# Altium PCB uz_per_voltage_measurement.PcbDoc (part 2 of 2) (continued)
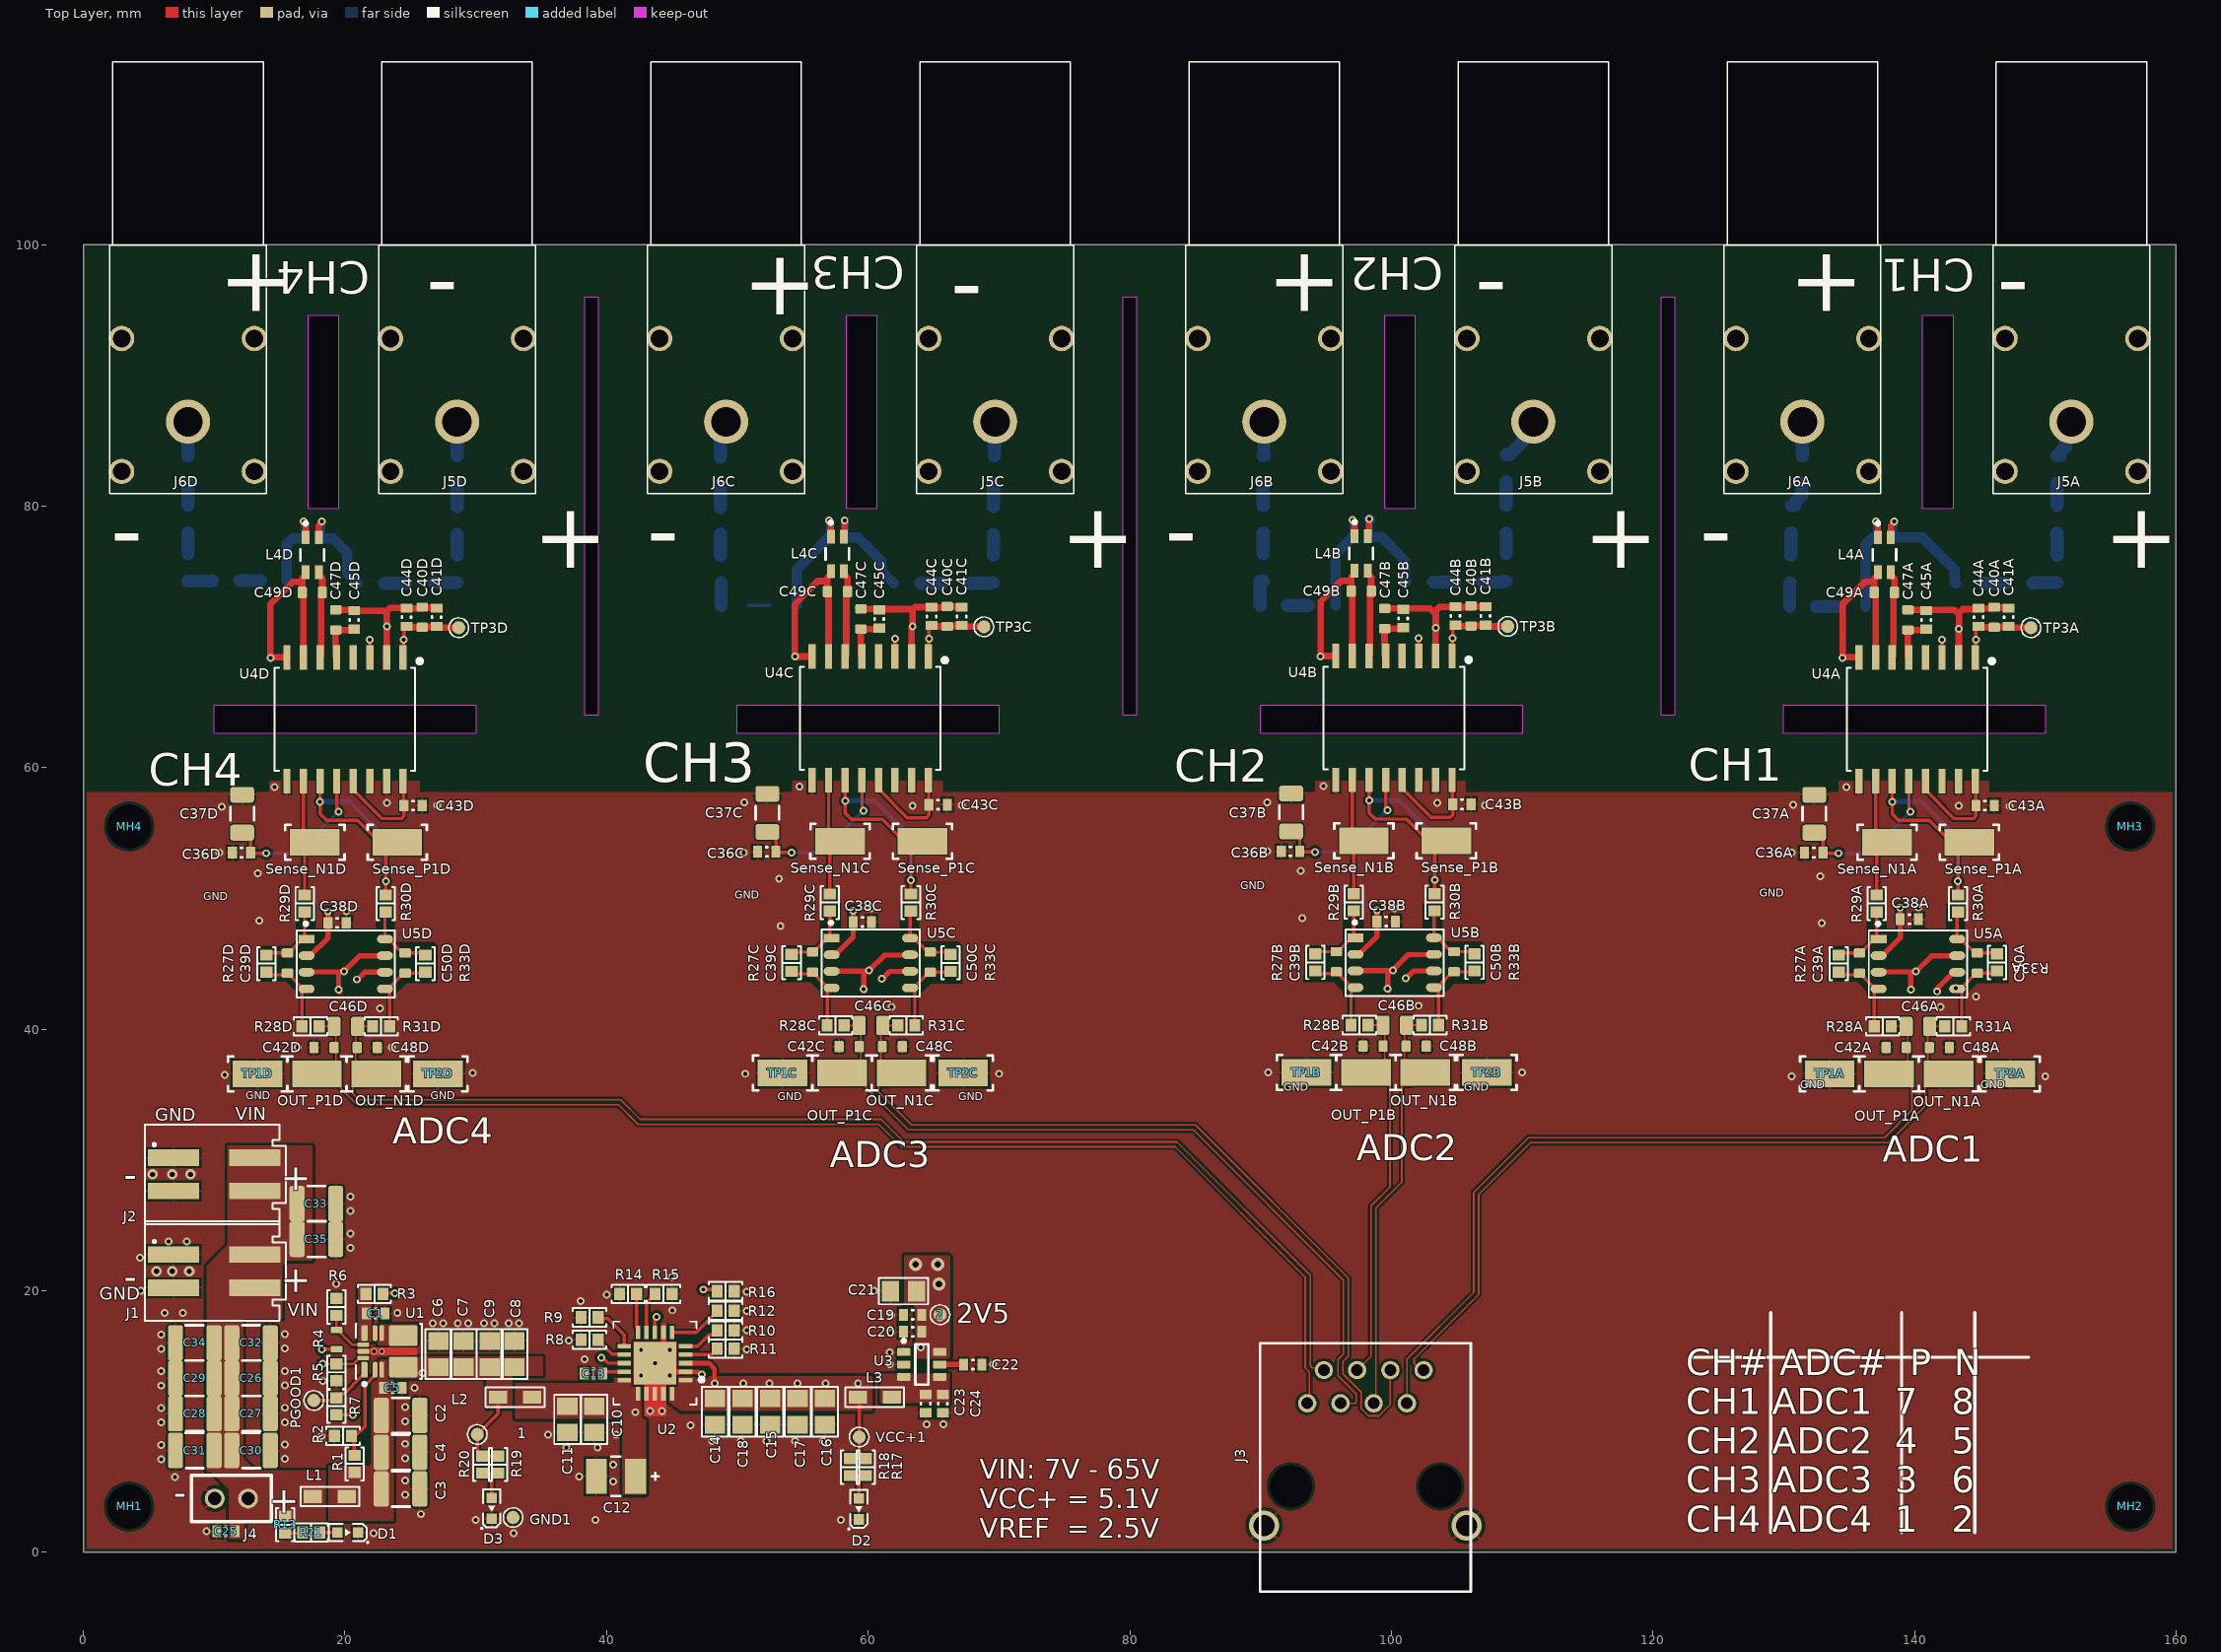
[diagram p0: Top Layer view]
## Nets (pads, with @x,y where several pads share a name; then routed paths per layer and width w, separated by ;. In a path a pad name is that pad's centre, name@x,y a point inside that pad or via, vN(x,y) a via of type N, cw(c..) or ccw(c..) an arc to the next point about the centre after c; other vN are vias at no path point) (continued)
NetR3_1: R3.1 R5.2 U1.11 | length 15.1
  Top Layer w0.2: v1(18.317,14.411) 19.349,14.411 R5.2@19.352,14.414 20.673,14.414 21.123,14.864 U1.11@21.402,14.864
  Top Layer w0.254: R3.1@22.902,19.764 22.949,19.811 v1(23.797,19.811)
  VCC+ w0.254: v1(18.317,14.411) 18.251,14.477 17.651,14.477 17.417,14.711 17.417,17.111 20.117,19.811 v1(23.797,19.811)
NetR4_1: R4.1 R6.1 U1.9 | length 3.7
  Top Layer w0.2: R6.1@19.352,18.114 R4.1@19.352,16.994 19.552,16.994 19.675,16.871 19.675,16.76 20.571,15.864 U1.9@21.402,15.864
NetR8_1: R8.1 U2.12 | length 2.7
  Top Layer w0.254: R8.1@39.123,16.343 39.223,16.343 39.65,15.916 39.65,15.913 40.401,15.162 41.304,15.162 U2.12@41.352,15.114
NetR9_2: R9.2 U2.11 | length 3.4
  Top Layer w0.254: R9.2@39.352,17.964 39.447,17.869 40.097,17.869 41.352,16.614 U2.11@41.352,15.764
NetR10_2: R10.2 U2.5 | length 2.9
  Top Layer w0.254: U2.5@46.052,15.764 46.97,15.764 47.846,16.64 48.154,16.64 48.452,16.938 R10.2@48.452,16.964
NetR11_2: R11.2 U2.4 | length 2.6
  Top Layer w0.254: U2.4@46.052,15.114 48.052,15.114 48.452,15.514 R11.2@48.452,15.564
NetR12_1: R12.1 U2.6 | length 4.2
  Top Layer w0.254: U2.6@45.002,16.814 46.852,16.814 48.452,18.414 R12.1@48.452,18.464
NetR13_2: R13.2 R21.1 | length 1.4
  Top Layer w0.254: R13.2@15.417,1.461 16.717,1.461 R21.1@16.767,1.511
NetR14_2: R14.2 U2.10 | length 3
  Top Layer w0.254: R14.2@42.302,19.764 42.302,17.263 42.402,17.164 U2.10@42.402,16.814
NetR15_2: R15.2 U2.9 | length 3.2
  Top Layer w0.254: U2.9@43.052,16.814 43.052,19.064 43.702,19.714 R15.2@43.702,19.764
NetR16_2: R16.2 U2.8 | length 7.2
  Top Layer w0.254: U2.8@43.702,16.814 43.702,17.802 43.817,17.917 v3(43.817,18.011) ; v1(47.402,20.095) 48.321,20.095 R16.2@48.452,19.964
  VCC+ w0.254: v3(43.817,18.011) 43.756,18.072 43.756,18.528 45.323,20.095 v1(47.402,20.095)
NetR22A_1: R22A.1 R23A.1 | length 1.7
  2V5_OCM w1: R23A.1@150.9,80.04 R22A.1@150.9,81.76
NetR22B_1: R22B.1 R23B.1 | length 1.9
  2V5_OCM w1: R23B.1@108.771,80.029 108.771,81.86 R22B.1@108.8,81.86
NetR22C_1: R22C.1 R23C.1 | length 1.9
  2V5_OCM w1: R23C.1@69.571,79.929 69.571,81.76 R22C.1@69.6,81.76
NetR22D_1: R22D.1 R23D.1 | length 1.9
  2V5_OCM w1: R23D.1@28.571,79.929 28.571,81.76 R22D.1@28.6,81.76
NetR23A_2: R23A.2 R24A.2 | length 1.7
  2V5_OCM w1: R24A.2@150.9,76.24 R23A.2@150.9,77.96
NetR23B_2: R23B.2 R24B.2 | length 1.6
  2V5_OCM w1: R23B.2@108.771,77.949 108.785,77.949 108.785,76.34 R24B.2@108.8,76.34
NetR23C_2: R23C.2 R24C.2 | length 1.6
  2V5_OCM w1: R23C.2@69.571,77.849 69.585,77.849 69.585,76.24 R24C.2@69.6,76.24
NetR23D_2: R23D.2 R24D.2 | length 1.6
  2V5_OCM w0.254: R23D.2@28.571,77.849 R23D.2@28.585,77.835 ; R24D.2@28.585,76.254 R24D.2@28.6,76.24
  2V5_OCM w1: R24D.2@28.585,76.254 R23D.2@28.585,77.835
NetR24A_1: R24A.1 R25A.1 | length 1.9
  2V5_OCM w1: R25A.1@149.04,74.1 149.1,74.16 R24A.1@150.9,74.16
NetR24B_1: R24B.1 R25B.1 | length 1.9
  2V5_OCM w1: R25B.1@106.94,74.2 108.49,74.2 108.55,74.26 R24B.1@108.8,74.26
NetR24C_1: R24C.1 R25C.1 | length 1.9
  2V5_OCM w1: R25C.1@67.74,74.1 69.29,74.1 69.35,74.16 R24C.1@69.6,74.16
NetR24D_1: R24D.1 R25D.1 | length 1.9
  2V5_OCM w0.254: R25D.1@26.74,74.1 R25D.1@26.8,74.16
  2V5_OCM w1: R25D.1@26.8,74.16 R24D.1@28.6,74.16
NetR25A_2: R25A.2 R26A.2 | length 1.7
  2V5_OCM w1: R26A.2@145.24,74.1 R25A.2@146.96,74.1
NetR25B_2: R25B.2 R26B.2 | length 1.6
  2V5_OCM w1: R26B.2@103.24,74.2 R25B.2@104.86,74.2
NetR25C_2: R25C.2 R26C.2 | length 1.6
  2V5_OCM w1: R26C.2@64.04,74.1 R25C.2@65.66,74.1
NetR25D_2: R25D.2 R26D.2 | length 1.6
  2V5_OCM w1: R26D.2@23.04,74.1 R25D.2@24.66,74.1
NetR34A_1: R34A.1 R35A.1 | length 1.7
  2V5_OCM w1: R35A.1@132.5,72.3 R34A.1@134.16,72.3
NetR34B_1: R34B.1 R35B.1 | length 1.6
  2V5_OCM w1: R35B.1@92.04,72.4 R34B.1@93.66,72.4
NetR34C_1: R34C.1 R35C.1 | length 1.6
  2V5_OCM w0.254: R35C.1@50.84,72.4 R34C.1@52.46,72.4
NetR34D_1: R34D.1 R35D.1 | length 1.6
  2V5_OCM w1: R35D.1@11.94,74.3 R34D.1@13.56,74.3
NetR35A_2: R35A.2 R36A.2 | length 1.9
  2V5_OCM w1: R35A.2@130.46,72.3 130.46,74.16 R36A.2@130.5,74.16
NetR35B_2: R35B.2 R36B.2 | length 2.1
  2V5_OCM w1: R35B.2@89.96,72.4 89.96,74.26 R36B.2@90.2,74.26
NetR35C_2: R35C.2 R36C.2 | length 1.8
  2V5_OCM w1: R35C.2@48.76,72.4 R36C.2@48.76,74.16
NetR35D_2: R35D.2 R36D.2 | length 1.9
  2V5_OCM w1: R36D.2@8,74.26 9.86,74.26 R35D.2@9.86,74.3
NetR36A_1: R36A.1 R37A.1 | length 1.8
  2V5_OCM w1: R36A.1@130.5,76.24 130.55,76.24 130.55,77.96 R37A.1@130.6,77.96
NetR36B_1: R36B.1 R37B.1 | length 1.7
  2V5_OCM w1: R36B.1@90.2,76.34 R37B.1@90.2,77.96 R37B.1@90.243,77.96
NetR36C_1: R36C.1 R37C.1 | length 1.6
  2V5_OCM w1: R36C.1@48.7,76.24 R37C.1@48.7,77.86
NetR36D_1: R36D.1 R37D.1 | length 1.6
  2V5_OCM w1: R36D.1@8,76.34 R37D.1@8,77.96
NetR37A_2: R37A.2 R38A.2 | length 2.2
  2V5_OCM w1: R37A.2@130.6,80.04 130.85,80.04 130.85,80.29 131.4,80.84 R38A.2@131.4,81.76
NetR37B_2: R37B.2 R38B.2 | length 1.8
  2V5_OCM w1: R38B.2@90.2,81.76 R37B.2@90.2,80.04 R37B.2@90.243,80.04
NetR37C_2: R37C.2 R38C.2 | length 1.7
  2V5_OCM w1: R37C.2@48.7,79.903 R38C.2@48.7,81.623
NetR37D_2: R37D.2 R38D.2 | length 1.7
  2V5_OCM w1: R37D.2@8,80.04 R38D.2@8,81.76
NetU1_5: U1.5 U1.6
OP_INA_N: C39A.2 R27A.1 R29A.2 U5A.1 | length 5.7
  Top Layer w0.254: R27A.1@134.198,45.656 134.368,45.826 C39A.2@135.798,45.826 135.883,45.826 136.746,46.69 137.054,46.69 U5A.1@137.259,46.894 137.117,47.036 R29A.2@137.117,48.961
OP_INA_P: C50A.2 R30A.2 R33A.1 U5A.8 | length 5.6
  Top Layer w0.254: R30A.2@143.317,48.961 143.317,48.661 143.259,48.603 U5A.8@143.259,46.894 143.537,46.894 144.377,46.054 144.574,46.054 C50A.2@144.802,45.826 146.224,45.826 R33A.1@146.3,45.75
OP_INB_N: C39B.2 R27B.1 R29B.2 U5B.1 | length 5.7
  Top Layer w0.254: R27B.1@94.198,45.756 94.368,45.926 C39B.2@95.798,45.926 95.883,45.926 96.746,46.79 97.054,46.79 U5B.1@97.259,46.994 97.117,47.136 R29B.2@97.117,49.061
OP_INB_P: C50B.2 R30B.2 R33B.1 U5B.8 | length 5.7
  Top Layer w0.254: R30B.2@103.317,49.061 103.317,48.761 103.259,48.703 U5B.8@103.259,46.994 103.537,46.994 104.377,46.154 104.574,46.154 C50B.2@104.802,45.926 106.178,45.926 R33B.1@106.348,45.756
OP_INC_N: C39C.2 R27C.1 R29C.2 U5C.1 | length 5.7
  Top Layer w0.254: R27C.1@54.148,45.725 54.318,45.895 C39C.2@55.748,45.895 55.833,45.895 56.696,46.758 57.004,46.758 U5C.1@57.209,46.963 57.067,47.104 R29C.2@57.067,49.029
OP_INC_P: C50C.2 R30C.2 R33C.1 U5C.8 | length 5.7
  Top Layer w0.254: R30C.2@63.267,49.029 63.267,48.729 63.209,48.671 U5C.8@63.209,46.963 63.487,46.963 64.327,46.123 64.524,46.123 C50C.2@64.752,45.895 66.128,45.895 R33C.1@66.298,45.725
OP_IND_N: C39D.2 R27D.1 R29D.2 U5D.1 | length 5.7
  Top Layer w0.254: R27D.1@13.998,45.656 14.168,45.826 C39D.2@15.598,45.826 15.683,45.826 16.546,46.69 16.854,46.69 U5D.1@17.059,46.894 16.917,47.036 R29D.2@16.917,48.961
OP_IND_P: C50D.2 R30D.2 R33D.1 U5D.8 | length 5.7
  Top Layer w0.254: R30D.2@23.117,48.961 23.117,48.661 23.059,48.603 U5D.8@23.059,46.894 23.337,46.894 24.177,46.054 24.374,46.054 C50D.2@24.602,45.826 25.978,45.826 R33D.1@26.148,45.656
OP_OUTA_N: C50A.1 R31A.1 R33A.2 U5A.5 | length 6.7
  Top Layer w0.254: R31A.1@143.617,40.211 143.617,42.726 143.616,42.727 143.616,42.895 143.427,43.084 U5A.5@143.259,43.084 143.515,43.084 144.717,44.286 C50A.1@144.802,44.286 146.136,44.286 R33A.2@146.3,44.45
  other v1: 143.164,43.125
OP_OUTA_P: C39A.1 R27A.2 R28A.1 U5A.4 | length 6.8
  Top Layer w0.254: R27A.2@134.198,44.281 134.318,44.161 C39A.1@135.798,44.161 ; C39A.1@135.798,44.286 135.883,44.286 136.111,44.058 136.111,43.973 137,43.084 U5A.4@137.259,43.084 137.106,43.084 136.917,42.895 R28A.1@136.917,40.211
OP_OUTB_N: C50B.1 R31B.1 R33B.2 U5B.5 | length 6.7
  Top Layer w0.254: R31B.1@103.617,40.311 103.617,42.826 103.616,42.827 103.616,42.995 103.427,43.184 U5B.5@103.259,43.184 103.515,43.184 104.717,44.386 C50B.1@104.802,44.386 106.278,44.386 R33B.2@106.348,44.456
OP_OUTB_P: C39B.1 R27B.2 R28B.1 U5B.4 | length 6.8
  Top Layer w0.254: R27B.2@94.198,44.381 94.318,44.261 C39B.1@95.798,44.261 ; C39B.1@95.798,44.386 95.883,44.386 96.111,44.158 96.111,44.073 97,43.184 U5B.4@97.259,43.184 97.106,43.184 96.917,42.995 R28B.1@96.917,40.311
OP_OUTC_N: C50C.1 R31C.1 R33C.2 U5C.5 | length 6.7
  Top Layer w0.254: R31C.1@63.567,40.279 63.567,42.794 63.566,42.796 63.566,42.964 63.377,43.153 U5C.5@63.209,43.153 63.465,43.153 64.667,44.355 C50C.1@64.752,44.355 66.228,44.355 R33C.2@66.298,44.425
OP_OUTC_P: C39C.1 R27C.2 R28C.1 U5C.4 | length 6.8
  Top Layer w0.254: R27C.2@54.148,44.35 54.268,44.23 C39C.1@55.748,44.23 ; C39C.1@55.748,44.355 55.833,44.355 56.061,44.127 56.061,44.042 56.95,43.153 U5C.4@57.209,43.153 57.056,43.153 56.867,42.964 R28C.1@56.867,40.279
OP_OUTD_N: C50D.1 R31D.1 R33D.2 U5D.5 | length 6.7
  Top Layer w0.254: R31D.1@23.417,40.211 23.417,42.726 23.416,42.727 23.416,42.895 23.227,43.084 U5D.5@23.059,43.084 23.315,43.084 24.517,44.286 C50D.1@24.602,44.286 26.078,44.286 R33D.2@26.148,44.356
OP_OUTD_P: C39D.1 R27D.2 R28D.1 U5D.4 | length 6.8
  Top Layer w0.254: R27D.2@13.998,44.281 14.118,44.161 C39D.1@15.598,44.161 ; C39D.1@15.598,44.286 15.683,44.286 15.911,44.058 15.911,43.973 16.8,43.084 U5D.4@17.059,43.084 16.906,43.084 16.717,42.895 R28D.1@16.717,40.211
PGOOD: PGOOD1.1 R7.1 U1.1 | length 5.1
  Top Layer w0.254: PGOOD1.1@17.617,11.611 19.149,11.611 19.65,12.112 19.94,12.112 21.319,13.491 21.38,13.491 21.49,13.601 U1.1@21.49,13.964
SenseA_N: R29A.1 Sense_N1A.1 U4A.10 | length 9.4
  Top Layer w0.254: U4A.10@137.025,58.966 137.025,55.175 Sense_N1A.1@137.9,54.3 137.117,53.517 R29A.1@137.117,50.261
SenseA_P: R30A.1 Sense_P1A.1 U4A.11 | length 22.5
  Top Layer w0.254: U4A.11@138.295,58.966 138.298,58.963 138.298,57.402 v1(138.3,57.4) 138.3,56.449 138.784,55.965 141.15,55.965 142.815,54.3 143.7,54.3 143.317,53.917 v1(143.317,51.311) R30A.1@143.317,50.261
  2V5_OCM w0.4: v1(138.3,57.4) 140.561,57.4 143.317,54.644 v1(143.317,51.311)
SenseB_N: R29B.1 Sense_N1B.1 U4B.10 | length 9.4
  Top Layer w0.254: U4B.10@97.025,59.066 97.025,55.275 Sense_N1B.1@97.9,54.4 97.117,53.617 R29B.1@97.117,50.361
SenseB_P: R30B.1 Sense_P1B.1 U4B.11 | length 22.5
  Top Layer w0.254: U4B.11@98.295,59.066 98.297,59.063 98.297,57.502 v1(98.3,57.5) 98.3,56.549 98.784,56.065 101.15,56.065 102.815,54.4 103.7,54.4 103.317,54.017 v1(103.317,51.411) R30B.1@103.317,50.361
  2V5_OCM w0.4: v1(98.3,57.5) 100.561,57.5 103.317,54.744 v1(103.317,51.411)
SenseC_N: R29C.1 Sense_N1C.1 U4C.10 | length 9.4
  Top Layer w0.254: U4C.10@56.975,59.034 56.975,55.243 Sense_N1C.1@57.85,54.368 57.067,53.585 R29C.1@57.067,50.329
SenseC_P: R30C.1 Sense_P1C.1 U4C.11 | length 22.5
  Top Layer w0.254: U4C.11@58.245,59.034 58.247,59.031 58.247,57.471 v1(58.25,57.468) 58.25,56.517 58.734,56.033 61.1,56.033 62.765,54.368 63.65,54.368 63.267,53.985 v1(63.267,51.379) R30C.1@63.267,50.329
  2V5_OCM w0.4: v1(58.25,57.468) 60.511,57.468 63.267,54.713 v1(63.267,51.379)
SenseD_N: R29D.1 Sense_N1D.1 U4D.10 | length 9.4
  Top Layer w0.254: U4D.10@16.825,58.966 16.825,55.175 Sense_N1D.1@17.7,54.3 16.917,53.517 R29D.1@16.917,50.261
SenseD_P: R30D.1 Sense_P1D.1 U4D.11 | length 22.5
  Top Layer w0.254: U4D.11@18.095,58.966 18.097,58.963 18.097,57.402 v1(18.1,57.4) 18.1,56.449 18.584,55.965 20.95,55.965 22.615,54.3 23.5,54.3 23.117,53.917 v1(23.117,51.311) R30D.1@23.117,50.261
  2V5_OCM w0.4: v1(18.1,57.4) 20.361,57.4 23.117,54.644 v1(23.117,51.311)
VCC+: C14.2 C15.2 C16.2 C17.2 C18.2 C36A.2 C36B.2 C36C.2 C36D.2 C37A.2 C37B.2 C37C.2 C37D.2 L3.1 R17.1 R18.1 U2.1 U2.3 U2.20 U4A.12 U4B.12 U4C.12 U4D.12 U5A.3 U5A.7 U5B.3 U5B.7 U5C.3 U5C.7 U5D.3 U5D.7 VCC+1.1 | length 90.2
  Top Layer w0.254: C37D.2@12.142,55.028 12.326,55.028 12.798,54.556 C36D.2@12.798,53.499 12.849,53.447 v1(13.984,53.447) ; U4D.12@19.365,58.966 19.383,58.948 19.383,56.857 19.499,56.74 v1(19.499,56.646) ; C37C.2@52.292,55.096 52.476,55.096 52.948,54.624 C36C.2@52.948,53.567 52.999,53.516 v1(54.133,53.516) ; R18.1@58.617,7.161 58.632,7.176 59.317,7.176 VCC+1.1@59.317,8.811 59.317,11.749 L3.1@59.202,11.864 ; 59.302,7.161 R17.1@59.817,7.161 ; U4C.12@59.515,59.034 59.532,59.016 59.532,56.925 59.649,56.808 v1(59.649,56.714) ; C37B.2@92.342,55.128 92.526,55.128 92.998,54.656 C36B.2@92.998,53.599 93.049,53.547 v1(94.184,53.547) ; U4B.12@99.565,59.066 99.583,59.048 99.583,56.957 99.699,56.84 v1(99.699,56.746) ; C37A.2@132.342,55.028 132.526,55.028 132.998,54.556 C36A.2@132.998,53.499 133.049,53.447 v1(134.184,53.447) ; U4A.12@139.565,58.966 139.583,58.948 139.583,56.857 139.699,56.74 v1(139.699,56.646)
  Top Layer w0.35: U2.3@46.052,14.464 47.836,14.464 48.26,14.04 v1(48.26,12.9)
  Top Layer w0.4: U5D.3@17.231,44.354 17.259,44.383 19.517,44.383 ; v1@19.618,42.856 19.517,42.957 19.517,44.383 ; U5D.7@22.98,45.574 22.955,45.599 21.105,45.599 19.889,44.383 19.517,44.383 ; U5D.7@23.059,45.624 U5D.7@23.084,45.599 ; U5C.3@57.381,44.423 57.409,44.451 59.667,44.451 ; v1@59.768,42.924 59.667,43.025 59.667,44.451 ; U5C.7@63.13,45.643 63.105,45.668 61.255,45.668 60.039,44.451 59.667,44.451 ; U5C.7@63.209,45.693 U5C.7@63.234,45.668 ; U5B.3@97.431,44.454 97.459,44.483 99.717,44.483 ; v1@99.818,42.956 99.717,43.057 99.717,44.483 ; U5B.7@103.18,45.674 103.155,45.699 101.305,45.699 100.089,44.483 99.717,44.483 ; U5B.7@103.259,45.724 U5B.7@103.284,45.699 ; U5A.3@137.431,44.354 137.459,44.383 139.717,44.383 ; v1@139.717,42.957 139.717,44.383 ; U5A.7@143.18,45.574 143.155,45.599 141.305,45.599 140.089,44.383 139.717,44.383 ; U5A.7@143.259,45.624 U5A.7@143.284,45.599
  2V5_OCM w0.254: v1(13.984,53.447) 16.301,53.447 v1(19.499,56.646) ; v1(54.133,53.516) 56.451,53.516 v1(59.649,56.714) ; v1(94.184,53.547) 96.501,53.547 v1(99.699,56.746) ; v1(134.184,53.447) 136.501,53.447 v1(139.699,56.646)
  other v1: 50.46,12.9 52.439,12.9 54.599,12.9 56.76,12.9 59.217,12.911 19.517,43.011 139.717,43.011 59.667,43.079 99.717,43.111 19.917,44.411 140.117,44.411 60.067,44.479 100.117,44.511
VIN: C25.1 C26.1 C27.1 C28.1 C29.1 C30.1 C31.1 C32.1 C33.1 C34.1 C35.1 J1.3 J1.4 J2.3 J2.4 J4.1 L1.1 R13.1
Vin_LDO: C10.2 C11.2 C12.2 L2.2 U2.13 U2.15 U2.16 | length 7.2
  Top Layer w0.254: v3(39.602,14.864) 39.696,14.864 40.096,14.464 U2.13@41.352,14.464
  GND w0.254: v3(39.602,14.864) 39.602,13.326 v1(42.217,10.711)
pads on no net: J3.MH3 J3.MH4 J5A.2 J5A.3 J5A.4 J5A.5 J5B.2 J5B.3 J5B.4 J5B.5 J5C.2 J5C.3 J5C.4 J5C.5 J5D.2 J5D.3 J5D.4 J5D.5 J6A.2 J6A.3 J6A.4 J6A.5 J6B.2 J6B.3 J6B.4 J6B.5 J6C.2 J6C.3 J6C.4 J6C.5 J6D.2 J6D.3 J6D.4 J6D.5 MH1.1 MH2.1 MH3.1 MH4.1 U1.7 U4A.4 U4A.14 U4B.4 U4B.14 U4C.4 U4C.14 U4D.4 U4D.14

## Polygon pours and split planes (outlines as drawn)
VCC+ on Top Layer "VCC+_L01_P145" (solid, pour order 145): 46.805,13.478 45.32,13.478 45.32,12.859 45.272,12.811 44.776,12.811 44.776,11.469 45.697,10.811 60.317,10.811 60.317,13.478
GND on Top Layer "GND_L01_P000" (solid, remove dead copper, pour order 158): -0.061,0 -0.061,59 160.117,59 160.117,0
Vin_LDO on Top Layer "VIN_LDO_L01_P142" (solid, remove dead copper, pour order 142): 42.617,11.211 43.017,11.211 43.017,4.411 41.217,4.411 41.217,10.211 33.017,10.211 33.017,12.93 40.573,12.93 40.573,13.366 41.917,13.366 41.917,12.822 42.617,12.822
NetC2_1 on Top Layer "NETC2_1_L01_P147" (solid, pour order 147): 18.758,2.411 23.717,2.411 23.717,12.011 23.717,13.211 23.317,13.211 23.317,14.711 22.517,14.711 22.517,13.111 22.017,13.111 22.017,6.811 21.817,6.611 18.758,6.611
NetU1_5 on Top Layer "NETU1_5_L01_P156" (solid, pour order 156): 22.517,17.411 22.517,15.711 25.447,15.711 25.517,15.811 25.517,17.411
6.1V on Top Layer "6.1V_L01_P154" (solid, pour order 154): 23.217,14.953 23.217,13.461 23.367,13.311 30.817,13.311 30.817,11.111 30.717,11.011 32.817,11.011 32.817,13.511 35.117,13.511 35.117,14.953
2V5_OCM on Top Layer "2V5_OCM_L01_P143" (solid, pour order 143): 62.773,22.701 62.773,18.935 63.431,18.935 63.617,18.749 63.617,14.811 66.271,14.811 66.287,14.827 66.271,14.843 66.271,22.72
NetC23_2 on Top Layer "NETC23_2_L01_P144" (solid, pour order 144): 66.217,13.644 60.917,13.644 60.917,11.411 66.217,11.411
NetC1_1 on Top Layer "NETC1_1_L01_P155" (solid, pour order 155): 21.017,20.411 21.017,16.111 22.017,16.111 22.017,20.411
VIN on Top Layer "VIN_L01_P153" (solid, pour order 153): 15.2,21.911 15.594,22.306 17.517,22.306 17.517,31.1 11.017,31.1 11.017,23.511 9.417,21.911 9.417,6.148 9.78,6.148 11.117,4.811 11.117,1.011 12.317,1.011 12.317,2.365 18.513,2.365 18.513,6.261 13.167,6.261 12.217,7.211 12.217,17.861 15.2,17.861
VCC+ on VCC+ "GND_L01_P000" (solid, remove dead copper, pour order 166): -0.061,0.011 -0.061,61.511 160.117,61.511 160.117,0.011
GND on VCC+ "GND_L03_P160" (solid, pour order 160): 44.139,17.489 44.139,16.111 42.039,16.111 42.039,12.822 42.753,12.822 42.753,10.411 45.32,10.411 45.32,12.822 45.32,13.01 45.32,13.63 46.539,13.63 46.539,14.011 45.339,14.011 45.339,16.111 44.593,16.111 44.593,17.489
GND on VCC+ "GND_L03_P161" (solid, pour order 161): 23.939,18.811 33.839,18.811 33.839,14.911 33.539,14.911 21.739,14.911 21.739,18.811
2V5_OCM on 2V5_OCM "GND_L02_P001" (solid, remove dead copper, pour order 159): -0.061,0.011 -0.061,61.511 160.317,61.511 160.317,0.011
GND on 2V5_OCM "GND_L04_P141" (solid, pour order 141): 44.139,17.489 44.139,16.111 42.039,16.111 42.039,12.822 42.753,12.822 42.753,10.411 45.32,10.411 45.32,12.822 45.32,13.01 45.32,13.63 46.539,13.63 46.539,14.011 45.339,14.011 45.339,16.111 44.593,16.111 44.593,17.489
GND on 2V5_OCM "GND_L04_P085" (solid, pour order 85): 23.939,18.811 33.839,18.811 33.839,14.911 33.539,14.911 21.739,14.911 21.739,18.811
NetC40B_2 on GND "NETC40B_2_L02_P171" (solid, pour order 171): 101.7,69.553 105.228,69.553 105.228,70.21 101.7,70.21
HGNDA on GND "HGNDA_L02_P174" (solid, pour order 174): 134,68 136.1,68 136.1,68.9 137.6,70.4 144,70.4 144,71 143.9,71 134,71
NetC40A_2 on GND "NETC40A_2_L02_P173" (solid, pour order 173): 141.8,69.3 145.2,69.3 145.2,70.1 141.8,70.1
HGNDB on GND "HGNDB_L02_P172" (solid, pour order 172): 94,68.1 95.7,68.1 95.7,68.8 97.289,70.389 103.833,70.389 103.833,71.027 103.733,71.027 94,71.027
HGNDC on GND "HGNDC_L02_P170" (solid, pour order 170): 53.6,68 56,68 56,69 57.5,70.5 63.9,70.5 63.9,71.1 63.8,71.1 53.6,71.1
NetC40C_2 on GND "NETC40C_2_L02_P169" (solid, pour order 169): 61.7,69.4 65.1,69.4 65.1,70.2 61.7,70.2
HGNDD on GND "HGNDD_L02_P168" (solid, pour order 168): 13.6,68 15.6,68 15.6,68.8 17.3,70.5 23.7,70.5 23.7,71.1 23.6,71.1 13.6,71.1
NetC40D_2 on GND "NETC40D_2_L02_P167" (solid, pour order 167): 21.5,69.4 24.9,69.4 24.9,70.2 21.5,70.2
GND on GND "GND_L01_P000" (solid, remove dead copper, pour order 92): -0.061,0.011 -0.061,61.711 160.117,61.711 160.117,0.011

## Other copper
Top Layer:
  region net GND: 45.339,13.992 46.57,13.992 46.57,13.611 45.339,13.611 45.296,13.568 45.296,12.835 44.552,12.835 44.539,12.822 44.539,10.411 42.904,10.411 42.885,10.392 42.885,12.822 42.07,12.822 42.07,16.092 44.17,16.092 44.17,17.489 44.52,17.489 44.539,17.47 44.539,16.092 45.339,16.092
  pour cut-out: 93.4,46.411 96.1,46.411 96.3,46.611 96.3,49.611 97.7,49.611 97.8,49.711 97.9,49.611 97.9,47.711 102.4,47.711 102.4,49.611 103.9,49.611 103.9,46.711 106.9,46.711 107.2,46.411 107.2,43.511 104.8,43.511 103.8,42.511 96.3,42.511 96.3,42.911 95.6,43.611 93.3,43.611
  pour cut-out: 133.404,46.411 136.104,46.411 136.304,46.611 136.304,49.611 137.704,49.611 137.804,49.711 137.904,49.611 137.904,47.711 142.404,47.711 142.404,49.611 143.904,49.611 143.904,46.711 146.904,46.711 147.204,46.411 147.204,43.511 144.804,43.511 143.804,42.511 136.304,42.511 136.304,42.911 135.604,43.611 133.304,43.611
  pour cut-out: 53.402,46.411 56.102,46.411 56.302,46.611 56.302,49.611 57.702,49.611 57.802,49.711 57.902,49.611 57.902,47.711 62.402,47.711 62.402,49.611 63.902,49.611 63.902,46.711 66.902,46.711 67.202,46.411 67.202,43.511 64.802,43.511 63.802,42.511 56.302,42.511 56.302,42.911 55.602,43.611 53.302,43.611
  pour cut-out: 13.317,46.411 16.017,46.411 16.217,46.611 16.217,49.611 17.617,49.611 17.717,49.711 17.817,49.611 17.817,47.711 22.317,47.711 22.317,49.611 23.817,49.611 23.817,46.711 26.817,46.711 27.117,46.411 27.117,43.511 24.717,43.511 23.717,42.511 16.217,42.511 16.217,42.911 15.517,43.611 13.217,43.611
GND:
  pour cut-out: 95.517,50.361 97.117,50.361 97.117,43.261 95.517,43.261 95.517,43.661 94.817,44.361 92.672,44.361 92.65,44.339 92.649,44.339 92.649,47.152 95.308,47.152 95.517,47.361
  pour cut-out: 103.217,50.361 101.617,50.361 101.617,43.261 103.217,43.261 103.217,43.661 103.917,44.361 106.062,44.361 106.084,44.339 106.085,44.339 106.085,47.152 103.426,47.152 103.217,47.361
  pour cut-out: 135.017,50.661 136.617,50.661 136.617,43.561 135.017,43.561 135.017,43.961 134.317,44.661 132.172,44.661 132.15,44.639 132.149,44.639 132.149,47.452 134.808,47.452 135.017,47.661
  pour cut-out: 142.717,50.661 141.117,50.661 141.117,43.561 142.717,43.561 142.717,43.961 143.417,44.661 145.562,44.661 145.584,44.639 145.585,44.639 145.585,47.452 142.926,47.452 142.717,47.661
  pour cut-out: 56.838,49.758 58.438,49.758 58.438,42.658 56.838,42.658 56.838,43.058 56.138,43.758 53.994,43.758 53.971,43.736 53.971,46.549 56.63,46.549 56.838,46.758
  pour cut-out: 64.538,49.758 62.938,49.758 62.938,42.658 64.538,42.658 64.538,43.058 65.238,43.758 67.383,43.758 67.405,43.736 67.406,43.736 67.406,46.549 64.747,46.549 64.538,46.758
  pour cut-out: 23.917,49.661 22.317,49.661 22.317,42.561 23.917,42.561 23.917,42.961 24.617,43.661 26.762,43.661 26.784,43.639 26.785,43.639 26.785,46.452 24.126,46.452 23.917,46.661
  pour cut-out: 16.217,49.661 17.817,49.661 17.817,42.561 16.217,42.561 16.217,42.961 15.517,43.661 13.372,43.661 13.35,43.639 13.349,43.639 13.349,46.452 16.008,46.452 16.217,46.661
Multi-Layer:
  pour cut-out: 105.7,61.711 105.7,58.111 134.2,58.111 134.2,61.711
  pour cut-out: 65.7,61.711 65.7,58.111 94.2,58.111 94.2,61.711
  pour cut-out: 25.7,61.711 25.7,58.111 54.2,58.111 54.2,61.711
  pour cut-out: 160,58.111 160,61.711 145.7,61.711 145.7,58.111
  pour cut-out: 0,61.711 0,58.111 14.217,58.111 14.217,61.711

## Silkscreen, mask and mechanical layers (free items; w line width, h text height)
Top Overlay:
  lines w0.254: 122.917,14.911 148.717,14.911 ; 129.017,1.511 129.017,18.311 ; 139.017,1.511 139.017,18.311 ; 144.617,1.511 144.617,18.311
  text "CH3" at 62.8,99.1 h2.5 r180
  text "CH2" at 104,99 h2.5 r180
  text "CH1" at 144.6,98.9 h2.5 r180
  text "CH4" at 21.9,98.7 h2.5 r180
  text "-" at 26.222,94.952 h5
  text "-" at 106.409,94.952 h5
  text "-" at 146.309,94.952 h5
  text "+" at 10.322,94.918 h5
  text "+" at 90.509,94.918 h5
  text "+" at 130.409,94.918 h5
  text "-" at 66.309,94.652 h5
  text "+" at 50.409,94.618 h5
  text "-" at 2.1,75.701 h5
  text "-" at 43.1,75.701 h5
  text "-" at 82.7,75.701 h5
  text "-" at 123.6,75.701 h5
  text "+" at 34.4,75.267 h5
  text "+" at 74.7,75.267 h5
  text "+" at 114.7,75.267 h5
  text "+" at 154.5,75.267 h5
  text "CH1" at 122.7,59 h2.5
  text "CH3" at 42.8,58.9 h3
  text "CH2" at 83.4,58.9 h2.5
  text "CH4" at 5,58.6 h2.5
  text "GND" at 88.459,50.677 h0.6
  text "GND" at 128.127,50.127 h0.6
  text "GND" at 49.789,49.967 h0.6
  text "GND" at 9.176,49.877 h0.6
  text "GND" at 131.263,35.477 h0.6
  text "GND" at 145.063,35.477 h0.6
  text "GND" at 91.759,35.277 h0.6
  text "GND" at 105.559,35.277 h0.6
  text "GND" at 12.427,34.627 h0.6
  text "GND" at 26.527,34.627 h0.6
  text "GND" at 53.089,34.567 h0.6
  text "GND" at 66.889,34.567 h0.6
  text "VIN" at 11.604,33.061 h1
  text "GND" at 5.49,32.991 h1
  text "ADC4" at 23.65,31.25 h2
  text "ADC2" at 97.35,29.95 h2
  text "ADC1" at 137.55,29.85 h2
  text "+" at 15.384,29.711 h2 r270
  text "ADC3" at 57.05,29.45 h2
  text "-" at 3.117,27.911 h2
  text "+" at 15.384,21.911 h2 r270
  text "-" at 3.117,20.111 h2
  text "GND" at 1.2,19.3 h1
  text "VIN" at 15.604,18.061 h1
  text "-" at 7.9,5.1 h2 r180
  text "+" at 14.484,5.011 h2 r270
  text "CH# ADC#  P  N / CH1 ADC1  7   8 / CH2 ADC2  4   5   / CH3 ADC3  3   6   / CH4 ADC4  1   2" at 122.532,1.55 h2
  text "VIN: 7V - 65V / VCC+ = 5.1V / VREF  = 2.5V" at 68.517,1.111 h1.5
Drill Guide:
  text "160 mm x 100 mm" at 165.639,56.311 h5
Mechanical 1:
  lines w0.1: 0,0 0,100 160,100 160,0 0,0 ; 17.2,79.8 19.514,79.8 19.514,94.6 17.2,94.6 17.2,79.8 ; 38.357,64 38.357,96 39.357,96 39.357,64 38.357,64 ; 58.343,79.8 60.657,79.8 60.657,94.6 58.343,94.6 58.343,79.8 ; 79.5,64 80.5,64 80.5,96 79.5,96 79.5,64 ; 99.485,79.8 101.8,79.8 101.8,94.6 99.485,94.6 99.485,79.8 ; 120.643,64 121.643,64 121.643,96 120.643,96 120.643,64 ; 140.628,79.8 140.628,94.6 142.943,94.6 142.943,79.8 140.628,79.8
  lines w0.254: 10,62.6 10,64.8 30,64.8 30,62.6 10,62.6 ; 50.121,62.697 70.121,62.697 70.121,64.897 50.121,64.897 50.121,62.697 ; 90.1,62.7 90.1,64.9 110.1,64.9 110.1,62.7 90.1,62.7 ; 130,62.6 150,62.6 150,64.8 130,64.8 130,62.6

## Text inside footprints (layer, text, board x,y; h text height)
Serial1: Bottom Overlay "Serial-Nr." at 110.927,23.921 h1.5; Bottom Assembly "SerialNr" at 110.017,22.311 h0.7